# Altium PCB PM12_CFD.PcbDoc (part 4 of 12) (continued)
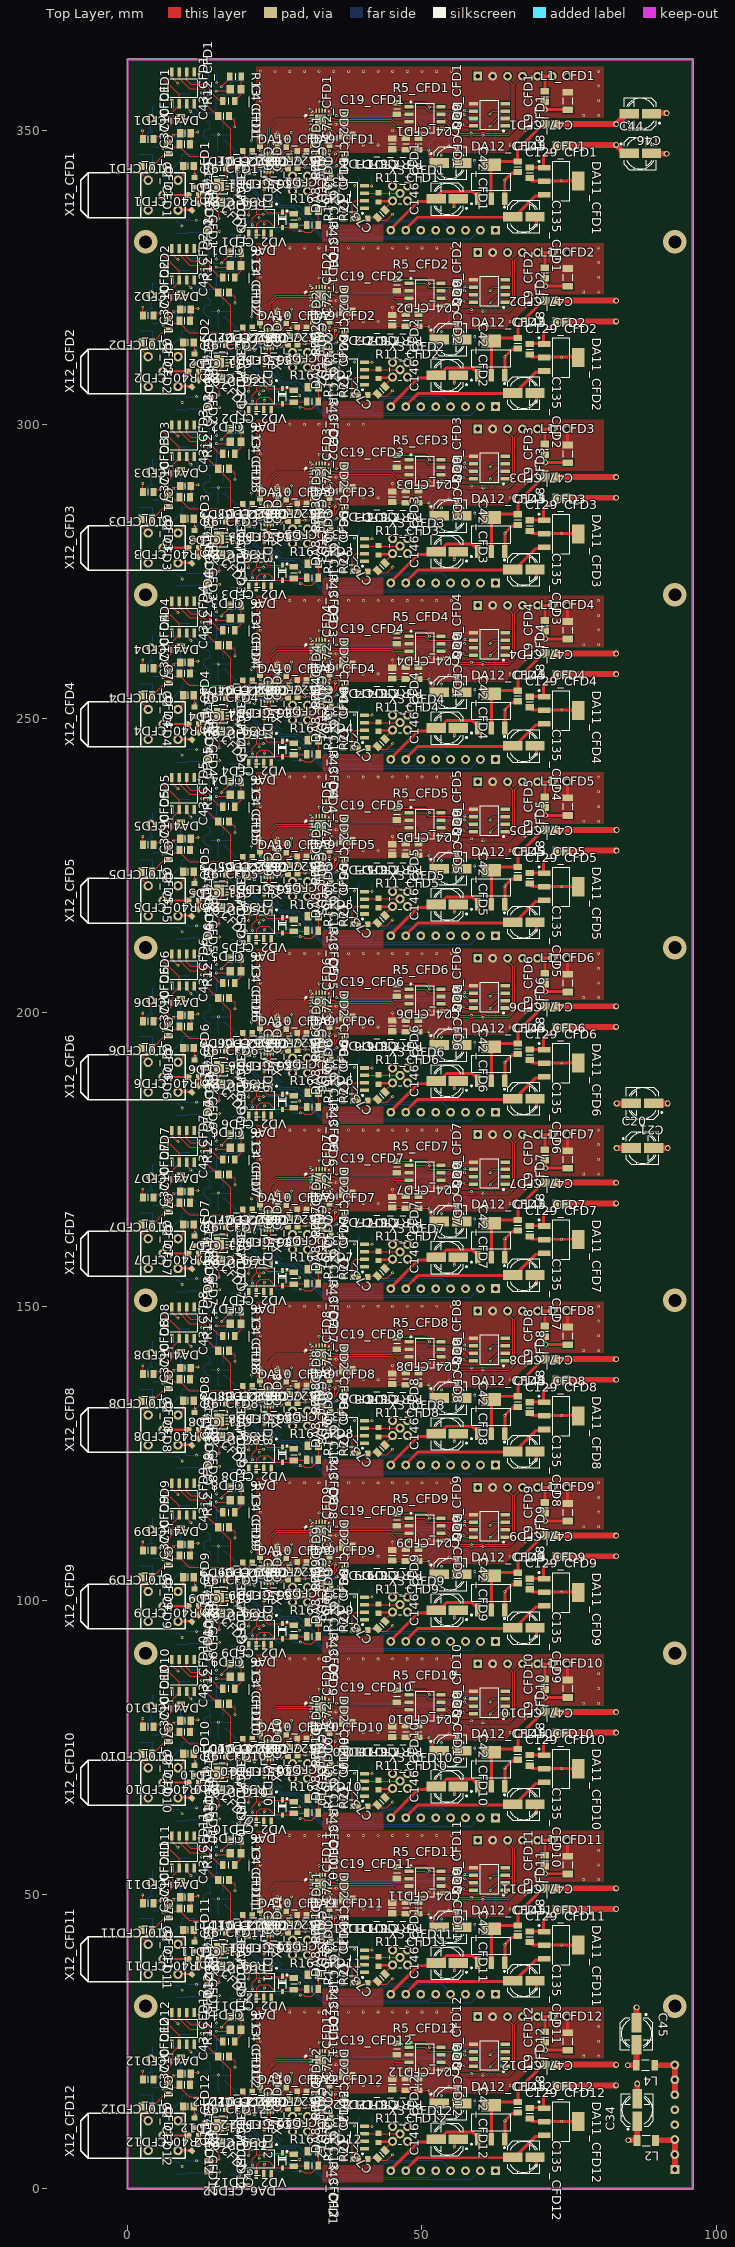
[diagram p0: Top Layer view]
## Nets (pads, with @x,y where several pads share a name; then routed paths per layer and width w, separated by ;. In a path a pad name is that pad's centre, name@x,y a point inside that pad or via, vN(x,y) a via of type N, cw(c..) or ccw(c..) an arc to the next point about the centre after c; other vN are vias at no path point)
$Net0: 
$Net1: 
$Net2: 
$Net3: 
$Net4: 
$Net5: 
$Net6: 
$Net7: 
$Net8: 
$Net9: 
$Net10: 
$Net11: 
$Net12: 
$Net13: 
$Net15: 
$Net16: 
$Net17: 
$Net18: 
$Net20: 
$Net21: 
$Net22: 
$Net23: 
$Net24: 
$Net25: 
$Net26: 
$Net27: 
$Net29: 
$Net30: 
$Net32: 
$Net33: 
$Net34: 
$Net36: 
$Net37: 
$Net39: 
$Net40: 
$Net41: 
$Net42: 
$Net43: 
$Net44: 
$Net45: 
$Net46: 
$Net47: 
$Net48: 
$Net49: 
$Net50: 
$Net51: 
$Net52: 
$Net53: 
$Net54: 
$Net55: 
$Net56: 
$Net58: 
$Net59: 
$Net60: 
$Net61: 
$Net62: 
$Net63: 
$Net64: 
$Net65: 
$Net66: 
$Net67: 
$Net68: 
$Net69: 
$Net70: 
$Net71: 
$Net72: 
$Net73: 
$Net74: 
$Net75: 
$Net76: 
$Net77: 
$Net78: 
$Net79: 
$Net80: 
$Net81: 
$Net82: 
$Net83: 
$Net84: 
$Net85: 
$Net86: 
$Net87: 
$Net88: 
$Net89: 
$Net90: 
$Net91: 
$Net92: 
$Net93: 
$Net94: 
$Net95: 
$Net97: 
$Net98: 
$Net99: 
$Net100: 
$Net101: 
$Net102: 
$Net103: 
$Net104: 
$Net105: 
$Net106: 
$Net107: 
$Net108: 
$Net109: 
$Net110: 
$Net111: 
$Net112: 
$Net113: 
$Net114: 
$Net115: 
$Net116: 
$Net117: 
$Net118: 
$Net119: 
$Net120: 
$Net121: 
$Net122: 
$Net123: 
$Net124: 
$Net125: 
$Net126: 
$Net127: 
$Net128: 
$Net129: 
$Net130: 
$Net131: 
$Net132: 
$Net133: 
$Net134: 
$Net135: 
$Net136: 
$Net137: 
$Net138: 
$Net139: 
$Net140: 
$Net141: 
$Net142: 
$Net143: 
$Net144: 
$Net145: 
$Net146: 
$Net147: 
$Net148: 
$Net149: 
$Net150: 
$Net151: 
$Net152: 
$Net153: 
$Net154: 
$Net155: 
$Net156: 
$Net157: 
$Net158: 
$Net159: 
$Net160: 
$Net161: 
$Net162: 
$Net163: 
$Net164: 
$Net165: 
$Net166: 
$Net167: 
$Net168: 
$Net169: 
$Net170: 
$Net171: 
$Net172: 
$Net173: 
$Net174: 
$Net175: 
$Net176: 
$Net178: 
$Net179: 
$Net180: 
$Net181: 
$Net182: 
$Net183: 
$Net184: 
$Net185: 
$Net186: 
$Net187: 
$Net188: 
$Net189: 
$Net190: 
$Net191: 
$Net192: 
$Net193: 
$Net194: 
$Net195: 
$Net196: 
$Net197: 
$Net198: 
$Net199: 
$Net200: 
$Net201: 
$Net202: 
$Net203: 
$Net204: 
$Net205: 
$Net206: 
$Net207: 
$Net208: 
$Net209: 
$Net210: 
$Net212: 
$Net213: 
$Net215: 
$Net216: 
$Net217: 
$Net219: 
$Net220: 
$Net221: 
$Net223: 
$Net224: 
$Net225: 
$Net226: 
$Net227: 
$Net228: 
$Net229: 
$Net230: 
$Net231: 
$Net233: 
$Net234: 
$Net236: 
$Net237: 
$Net238: 
$Net239: 
$Net240: 
$Net241: 
$Net242: 
$Net243: 
$Net244: 
$Net245: 
$Net246: 
$Net247: 
$Net249: 
$Net250: 
$Net252: 
$Net253: 
$Net254: 
$Net255: 
$Net256: 
$Net257: 
$Net258: 
$Net260: 
$Net261: 
$Net262: 
$Net263: 
$Net265: 
$Net266: 
$Net267: 
$Net269: 
$Net270: 
$Net271: 
$Net272: 
$Net273: 
$Net274: 
$Net275: 
$Net276: 
$Net277: 
$Net278: 
$Net279: 
$Net280: 
$Net281: 
$Net282: 
$Net284: 
$Net285: 
$Net286: 
$Net287: 
$Net288: 
$Net289: 
$Net290: 
$Net291: 
$Net292: 
$Net293: 
$Net294: 
$Net295: 
$Net296: 
$Net297: 
$Net298: 
$Net299: 
$Net300: 
$Net301: 
$Net302: 
$Net303: 
$Net304: 
$Net305: 
$Net306: 
$Net307: 
$Net308: 
$Net309: 
$Net310: 
$Net311: 
$Net312: 
$Net313: 
$Net314: 
$Net315: 
$Net316: 
$Net317: 
$Net318: 
$Net319: 
$Net320: 
$Net321: 
$Net322: 
$Net323: 
$Net324: 
$Net325: 
$Net326: 
$Net327: 
$Net328: 
$Net329: 
$Net330: 
$Net331: 
$Net332: 
$Net333: 
$Net334: 
$Net335: 
$Net336: 
$Net337: 
$Net338: 
$Net339: 
$Net340: 
$Net341: 
$Net342: 
$Net343: 
$Net344: 
$Net345: 
$Net346: 
$Net347: 
$Net348: 
$Net349: 
$Net350: 
$Net351: 
$Net352: 
$Net353: 
$Net354: 
$Net355: 
$Net356: 
$Net357: 
$Net358: 
$Net359: 
$Net360: 
$Net361: 
$Net362: 
$Net363: 
$Net364: 
$Net365: 
$Net366: 
$Net367: 
$Net368: 
$Net369: 
$Net370: 
$Net371: 
$Net372: 
$Net373: 
$Net374: 
$Net375: 
$Net376: 
$Net377: 
$Net378: 
$Net379: 
$Net380: 
$Net381: 
$Net382: 
$Net383: 
$Net384: 
$Net386: 
$Net387: 
$Net388: 
$Net389: 
$Net390: 
$Net391: 
$Net392: 
$Net393: 
$Net394: 
$Net395: 
$Net396: 
$Net397: 
$Net398: 
$Net399: 
$Net400: 
$Net401: 
$Net402: 
$Net403: 
$Net404: 
$Net405: 
$Net406: 
$Net407: 
$Net408: 
$Net410: 
$Net411: 
$Net412: 
$Net413: 
$Net414: 
$Net415: 
$Net416: 
$Net417: 
$Net418: 
$Net419: 
$Net420: 
$Net421: 
$Net422: 
$Net423: 
$Net424: 
$Net425: 
$Net426: 
$Net427: 
$Net428: 
$Net429: 
$Net430: 
$Net431: 
$Net432: 
$Net433: 
$Net434: 
$Net435: 
$Net436: 
$Net438: 
$Net440: 
$Net441: 
$Net442: 
$Net443: 
$Net444: 
$Net446: 
$Net447: 
$Net448: 
$Net449: 
$Net451: 
$Net452: 
$Net453: 
$Net454: 
$Net455: 
$Net456: 
$Net457: 
$Net458: 
$Net459: 
$Net460: 
$Net461: 
$Net463: 
$Net464: 
$Net465: 
$Net466: 
$Net467: 
$Net468: 
$Net469: 
$Net470: 
$Net472: 
$Net473: 
$Net474: 
$Net476: 
$Net477: 
$Net478: 
$Net480: 
$Net481: 
$Net483: 
$Net484: 
$Net485: 
$Net486: 
$Net487: 
$Net488: 
$Net489: 
$Net491: 
$Net492: 
$Net493: 
$Net494: 
$Net496: 
$Net497: 
$Net498: 
$Net499: 
$Net500: 
$Net501: 
$Net502: 
$Net503: 
$Net504: 
$Net505: 
$Net506: 
$Net507: 
$Net508: 
$Net509: 
$Net510: 
$Net511: 
$Net512: 
$Net513: 
$Net514: 
$Net515: 
$Net516: 
$Net517: 
$Net518: 
$Net519: 
$Net520: 
$Net521: 
$Net522: 
$Net523: 
$Net524: 
$Net525: 
$Net526: 
$Net527: 
$Net528: 
$Net529: 
$Net530: 
$Net531: 
$Net532: 
$Net533: 
$Net534: 
$Net535: 
$Net536: 
$Net537: 
$Net538: 
$Net539: 
$Net540: 
$Net542: 
$Net543: 
$Net544: 
$Net545: 
$Net546: 
$Net547: 
$Net548: 
$Net549: 
$Net550: 
$Net551: 
$Net552: 
$Net553: 
$Net554: 
$Net555: 
$Net556: 
$Net557: 
$Net558: 
$Net559: 
$Net560: 
$Net561: 
$Net562: 
$Net563: 
$Net564: 
$Net565: 
$Net566: 
$Net567: 
$Net568: 
$Net569: 
$Net570: 
$Net571: 
$Net572: 
$Net573: 
$Net574: 
$Net575: 
$Net576: 
$Net577: 
$Net578: 
$Net579: 
$Net580: 
$Net581: 
$Net582: 
$Net583: 
$Net584: 
$Net585: 
$Net586: 
$Net587: 
$Net588: 
$Net589: 
$Net590: 
$Net591: 
$Net592: 
$Net593: 
$Net595: 
$Net596: 
$Net597: 
$Net598: 
$Net599: 
$Net600: 
$Net601: 
$Net602: 
$Net603: 
$Net604: 
$Net605: 
$Net606: 
$Net607: 
$Net608: 
$Net609: 
$Net610: 
$Net611: 
$Net612: 
$Net613: 
$Net614: 
$Net615: 
$Net616: 
$Net617: 
$Net618: 
$Net619: 
$Net620: 
$Net621: 
$Net622: 
$Net623: 
$Net624: 
$Net625: 
$Net626: 
$Net627: 
$Net628: 
$Net629: 
$Net630: 
$Net631: 
$Net632: 
$Net633: 
$Net634: 
$Net635: 
$Net636: 
$Net637: 
$Net638: 
$Net639: 
$Net640: 
$Net641: 
$Net642: 
$Net643: 
$Net644: 
$Net646: 
$Net647: 
$Net649: 
$Net650: 
$Net651: 
$Net652: 
$Net654: 
$Net655: 
$Net656: 
$Net657: 
$Net658: 
$Net659: 
$Net660: 
$Net661: 
$Net662: 
$Net663: 
$Net664: 
$Net666: 
$Net668: 
$Net669: 
$Net670: 
$Net671: 
$Net672: 
$Net674: 
$Net675: 
$Net676: 
$Net677: 
$Net678: 
$Net679: 
$Net680: 
$Net682: 
$Net683: 
$Net684: 
$Net685: 
$Net687: 
$Net688: 
$Net689: 
$Net691: 
$Net692: 
$Net694: 
$Net695: 
$Net696: 
$Net697: 
$Net698: 
$Net699: 
$Net700: 
$Net701: 
$Net702: 
$Net703: 
$Net704: 
$Net705: 
$Net706: 
$Net707: 
$Net708: 
$Net709: 
$Net710: 
$Net711: 
$Net712: 
$Net713: 
$Net714: 
$Net715: 
$Net716: 
$Net717: 
$Net718: 
$Net720: 
$Net721: 
$Net722: 
$Net723: 
$Net724: 
$Net725: 
$Net726: 
$Net727: 
$Net728: 
$Net729: 
$Net730: 
$Net731: 
$Net732: 
$Net733: 
$Net734: 
$Net735: 
$Net736: 
$Net737: 
$Net738: 
$Net739: 
$Net740: 
$Net741: 
$Net742: 
$Net743: 
$Net744: 
$Net745: 
$Net746: 
$Net747: 
$Net748: 
$Net749: 
$Net750: 
$Net751: 
$Net752: 
$Net753: 
$Net754: 
$Net755: 
$Net756: 
$Net757: 
$Net758: 
$Net759: 
$Net760: 
$Net761: 
$Net762: 
$Net763: 
$Net764: 
$Net765: 
$Net766: 
$Net767: 
$Net769: 
$Net770: 
$Net771: 
$Net772: 
$Net773: 
$Net774: 
$Net775: 
$Net776: 
$Net777: 
$Net778: 
$Net779: 
$Net780: 
$Net781: 
$Net782: 
$Net783: 
$Net784: 
$Net785: 
$Net786: 
$Net787: 
$Net788: 
$Net789: 
$Net790: 
$Net791: 
$Net792: 
$Net793: 
$Net794: 
$Net795: 
$Net796: 
$Net797: 
$Net798: 
$Net799: 
$Net800: 
$Net801: 
$Net802: 
$Net803: 
$Net804: 
$Net805: 
$Net806: 
$Net807: 
$Net808: 
$Net809: 
$Net810: 
$Net811: 
$Net812: 
$Net813: 
$Net814: 
$Net815: 
$Net816: 
$Net817: 
$Net818: 
$Net819: 
$Net820: 
$Net821: 
$Net822: 
$Net823: 
$Net824: 
$Net825: 
$Net827: 
$Net828: 
$Net829: 
$Net830: 
$Net831: 
$Net832: 
$Net833: 
$Net834: 
$Net835: 
$Net836: 
$Net837: 
$Net838: 
$Net839: 
$Net840: 
$Net841: 
$Net842: 
$Net843: 
$Net844: 
$Net845: 
$Net846: 
$Net847: 
$Net848: 
$Net849: 
$Net850: 
$Net851: 
$Net852: 
$Net853: 
$Net854: 
$Net855: 
$Net856: 
$Net857: 
$Net858: 
$Net859: 
$Net860: 
$Net861: 
$Net862: 
$Net863: 
$Net864: 
$Net865: 
$Net866: 
$Net868: 
$Net870: 
$Net871: 
$Net872: 
$Net873: 
$Net874: 
$Net875: 
$Net876: 
$Net877: 
$Net878: 
$Net879: 
$Net880: 
$Net881: 
$Net882: 
$Net883: 
$Net884: 
$Net885: 
$Net886: 
$Net888: 
$Net890: 
$Net891: 
$Net892: 
$Net893: 
$Net894: 
$Net895: 
$Net896: 
$Net897: 
$Net898: 
$Net900: 
$Net902: 
$Net903: 
$Net905: 
$Net908: 
$Net909: 
$Net910: 
$Net911: 
$Net912: 
$Net915: 
$Net917: 
$Net918: 
$Net920: 
$Net921: 
$Net922: 
$Net923: 
$Net924: 
$Net925: 
$Net926: 
$Net927: 
$Net931: 
$Net933: 
$Net934: 
$Net935: 
$Net936: 
$Net937: 
$Net939: 
$Net941: 
$Net942: 
$Net943: 
$Net944: 
$Net945: 
$Net946: 
$Net947: 
$Net948: 
$Net949: 
$Net950: 
$Net951: 
$Net952: 
$Net953: 
$Net954: 
$Net955: 
$Net956: 
$Net958: 
$Net959: 
$Net960: 
$Net961: 
$Net962: 
$Net963: 
$Net964: 
$Net965: 
$Net966: 
$Net967: 
$Net969: 
$Net970: 
$Net971: 
$Net972: 
$Net973: 
$Net974: 
$Net975: 
$Net976: 
$Net978: 
$Net979: 
$Net980: 
$Net981: 
$Net983: 
$Net984: 
$Net985: 
$Net986: 
$Net987: 
$Net988: 
$Net989: 
$Net990: 
$Net991: 
$Net992: 
$Net993: 
$Net994: 
$Net995: 
$Net996: 
$Net997: 
$Net998: 
$Net999: 
$Net1000: 
$Net1001: 
$Net1002: 
$Net1003: 
$Net1004: 
$Net1005: 
$Net1006: 
$Net1007: 
$Net1008: 
$Net1009: 
$Net1010: 
$Net1011: 
$Net1012: 
$Net1013: 
$Net1014: 
$Net1015: 
$Net1016: 
$Net1017: 
$Net1018: 
$Net1019: 
$Net1020: 
$Net1021: 
$Net1022: 
$Net1023: 
$Net1024: 
$Net1025: 
$Net1028: 
$Net1029: 
$Net1030: 
$Net1031: 
$Net1032: 
$Net1033: 
$Net1034: 
$Net1035: 
$Net1036: 
$Net1037: 
$Net1038: 
$Net1039: 
$Net1040: 
$Net1041: 
$Net1043: 
$Net1045: 
$Net1046: 
$Net1047: 
$Net1048: 
$Net1049: 
$Net1050: 
$Net1051: 
$Net1052: 
$Net1053: 
$Net1054: 
$Net1055: 
$Net1056: 
$Net1057: 
$Net1058: 
$Net1060: 
$Net1061: 
$Net1062: 
$Net1063: 
$Net1064: 
$Net1065: 
$Net1066: 
$Net1067: 
$Net1068: 
$Net1069: 
$Net1070: 
$Net1071: 
$Net1072: 
$Net1073: 
$Net1074: 
$Net1075: 
$Net1076: 
$Net1077: 
$Net1078: 
$Net1079: 
$Net1080: 
$Net1081: 
$Net1082: 
$Net1083: 
$Net1084: 
$Net1085: 
$Net1086: 
$Net1087: 
$Net1088: 
$Net1089: 
$Net1090: 
$Net1091: 
$Net1092: 
$Net1093: 
$Net1094: 
$Net1095: 
$Net1096: 
$Net1097: 
$Net1098: 
$Net1099: 
$Net1100: 
$Net1101: 
$Net1102: 
$Net1103: 
$Net1104: 
$Net1105: 
$Net1106: 
$Net1107: 
$Net1108: 
$Net1109: 
$Net1110: 
$Net1111: 
$Net1112: 
$Net1113: 
$Net1114: 
$Net1115: 
$Net1116: 
$Net1117: 
$Net1118: 
$Net1119: 
$Net1120: 
$Net1121: 
$Net1122: 
$Net1123: 
$Net1124: 
$Net1125: 
$Net1126: 
$Net1127: 
$Net1128: 
$Net1129: 
$Net1130: 
$Net1131: 
$Net1132: 
$Net1133: 
$Net1134: 
$Net1135: 
$Net1136: 
$Net1137: 
$Net1138: 
$Net1139: 
$Net1140: 
$Net1141: 
$Net1142: 
$Net1143: 
$Net1144: 
$Net1145: 
$Net1146: 
$Net1147: 
$Net1148: 
$Net1149: 
$Net1150: 
$Net1151: 
$Net1152: 
$Net1153: 
$Net1154: 
$Net1156: 
$Net1158: 
$Net1159: 
$Net1161: 
$Net1162: 
$Net1163: 
$Net1164: 
$Net1165: 
$Net1166: 
$Net1167: 
  other v4: 3,31
$Net1168: 
$Net1169: 
  other v4: 3,91
$Net1170: 
$Net1171: 
$Net1172: 
  other v4: 3,151
$Net1173: 
$Net1174: 
  other v4: 3,211
$Net1175: 
  other v4: 3,271
$Net1176: 
$Net1177: 
  other v4: 3,331
$Net1178: 
$Net1179: 
$Net1180: 
$Net1181: 
$Net1182: 
$Net1183: 
$Net1184: 
$Net1185: 
$Net1186: 
$Net1187: 
$Net1188: 
$Net1189: 
$Net1190: 
$Net1191: 
$Net1192: 
$Net1193: 
$Net1194: 
$Net1195: 
$Net1196: 
$Net1197: 
$Net1198: 
$Net1199: 
$Net1200: 
$Net1201: 
$Net1202: 
$Net1203: 
$Net1204: 
$Net1205: 
$Net1206: 
$Net1207: 
$Net1208: 
$Net1209: 
$Net1210: 
$Net1211: 
$Net1212: 
$Net1213: 
$Net1214: 
$Net1215: 
$Net1216: 
$Net1217: 
$Net1218: 
$Net1219: 
$Net1220: 
$Net1221: 
$Net1222: 
$Net1223: 
$Net1224: 
$Net1225: 
$Net1226: 
$Net1227: 
$Net1228: 
$Net1229: 
$Net1230: 
$Net1231: 
$Net1232: 
$Net1233: 
$Net1234: 
$Net1235: 
$Net1236: 
$Net1237: 
$Net1238: 
$Net1239: 
$Net1240: 
$Net1241: 
$Net1242: 
$Net1243: 
$Net1244: 
$Net1245: 
$Net1246: 
$Net1247: 
$Net1248: 
$Net1251: 
$Net1252: 
$Net1253: 
$Net1254: 
$Net1255: 
$Net1256: 
$Net1257: 
$Net1258: 
$Net1259: 
$Net1260: 
$Net1261: 
$Net1262: 
$Net1263: 
$Net1264: 
$Net1265: 
$Net1266: 
$Net1267: 
$Net1268: 
$Net1269: 
$Net1270: 
$Net1271: 
$Net1272: 
$Net1273: 
$Net1275: 
$Net1276: 
$Net1277: 
$Net1278: 
$Net1279: 
$Net1281: 
$Net1282: 
$Net1283: 
$Net1284: 
$Net1285: 
$Net1286: 
$Net1287: 
$Net1288: 
$Net1290: 
$Net1291: 
$Net1292: 
$Net1294: 
$Net1295: 
$Net1296: 
$Net1297: 
$Net1298: 
$Net1299: 
$Net1300: 
$Net1301: 
$Net1302: 
$Net1303: 
$Net1304: 
$Net1305: 
$Net1306: 
$Net1307: 
$Net1308: 
$Net1309: 
$Net1310: 
$Net1311: 
$Net1312: 
$Net1313: 
$Net1314: 
$Net1315: 
$Net1316: 
$Net1317: 
$Net1318: 
$Net1319: 
$Net1320: 
$Net1321: 
$Net1322: 
$Net1323: 
$Net1324: 
$Net1325: 
$Net1326: 
$Net1327: 
$Net1328: 
$Net1329: 
$Net1330: 
$Net1331: 
$Net1332: 
$Net1333: 
$Net1334: 
$Net1335: 
$Net1336: 
$Net1337: 
$Net1338: 
$Net1339: 
$Net1340: 
$Net1341: 
$Net1342: 
$Net1343: 
$Net1344: 
$Net1345: 
$Net1346: 
$Net1347: 
$Net1348: 
$Net1349: 
$Net1350: 
$Net1351: 
$Net1352: 
$Net1353: 
$Net1354: 
$Net1355: 
$Net1356: 
$Net1357: 
$Net1358: 
$Net1359: 
$Net1360: 
$Net1361: 
$Net1362: 
$Net1363: 
$Net1364: 
$Net1365: 
$Net1366: 
$Net1367: 
$Net1368: 
$Net1369: 
$Net1371: 
$Net1372: 
$Net1373: 
$Net1374: 
$Net1375: 
$Net1376: 
$Net1377: 
$Net1378: 
$Net1379: 
$Net1380: 
$Net1381: 
$Net1382: 
$Net1383: 
$Net1384: 
$Net1385: 
$Net1386: 
$Net1387: 
$Net1388: 
$Net1389: 
$Net1390: 
$Net1391: 
$Net1392: 
$Net1393: 
$Net1394: 
$Net1395: 
$Net1396: 
$Net1397: 
$Net1398: 
$Net1399: 
$Net1400: 
$Net1401: 
$Net1402: 
$Net1403: 
$Net1404: 
$Net1405: 
$Net1406: 
$Net1407: 
$Net1408: 
$Net1409: 
$Net1410: 
$Net1411: 
$Net1412: 
$Net1413: 
$Net1414: 
$Net1415: 
$Net1416: 
$Net1417: 
$Net1418: 
$Net1421: 
$Net1422: 
$Net1423: 
$Net1424: 
$Net1425: 
$Net1426: 
$Net1427: 
$Net1428: 
$Net1429: 
$Net1431: 
$Net1432: 
$Net1433: 
$Net1434: 
$Net1435: 
$Net1436: 
$Net1437: 
$Net1438: 
$Net1439: 
$Net1440: 
$Net1441: 
$Net1442: 
$Net1443: 
$Net1444: 
$Net1445: 
$Net1446: 
$Net1447: 
$Net1448: 
$Net1449: 
$Net1450: 
$Net1451: 
$Net1452: 
$Net1453: 
$Net1454: 
$Net1455: 
$Net1456: 
$Net1457: 
$Net1458: 
$Net1459: 
$Net1460: 
$Net1461: 
$Net1462: 
$Net1463: 
$Net1464: 
$Net1465: 
$Net1466: 
$Net1467: 
$Net1468: 
$Net1469: 
$Net1470: 
$Net1471: 
$Net1472: 
$Net1473: 
$Net1474: 
$Net1475: 
$Net1476: 
$Net1477: 
$Net1478: 
$Net1479: 
$Net1480: 
$Net1481: 
$Net1482: 
$Net1483: 
$Net1484: 
$Net1485: 
$Net1486: 
$Net1487: 
$Net1488: 
$Net1489: 
$Net1491: 
$Net1492: 
$Net1493: 
$Net1494: 
$Net1495: 
$Net1496: 
$Net1497: 
$Net1498: 
$Net1499: 
$Net1500: 
$Net1501: 
$Net1502: 
$Net1503: 
$Net1504: 
$Net1505: 
$Net1507: 
$Net1508: 
$Net1509: 
$Net1510: 
$Net1511: 
$Net1512: 
$Net1513: 
$Net1515: 
$Net1516: 
$Net1517: 
$Net1518: 
$Net1519: 
$Net1520: 
$Net1521: 
$Net1522: 
$Net1523: 
$Net1524: 
$Net1525: 
$Net1527: 
$Net1528: 
$Net1529: 
$Net1530: 
$Net1531: 
$Net1532: 
$Net1533: 
$Net1534: 
$Net1535: 
$Net1536: 
$Net1537: 
$Net1538: 
$Net1539: 
$Net1540: 
$Net1541: 
$Net1542: 
$Net1543: 
$Net1544: 
$Net1545: 
$Net1546: 
$Net1547: 
$Net1548: 
$Net1549: 
$Net1550: 
$Net1551: 
$Net1552: 
$Net1553: 
$Net1554: 
$Net1555: 
$Net1556: 
$Net1557: 
$Net1558: 
$Net1559: 
$Net1560: 
$Net1561: 
$Net1562: 
$Net1563: 
$Net1564: 
$Net1565: 
$Net1566: 
$Net1567: 
$Net1568: 
$Net1569: 
$Net1570: 
$Net1571: 
$Net1572: 
$Net1573: 
$Net1574: 
$Net1575: 
$Net1576: 
$Net1577: 
$Net1578: 
$Net1579: 
$Net1580: 
$Net1581: 
$Net1582: 
$Net1583: 
$Net1584: 
$Net1585: 
$Net1586: 
$Net1587: 
$Net1588: 
$Net1589: 
$Net1590: 
$Net1591: 
$Net1592: 
$Net1593: 
$Net1594: 
$Net1595: 
$Net1596: 
$Net1597: 
$Net1598: 
$Net1599: 
$Net1600: 
$Net1601: 
$Net1602: 
$Net1603: 
$Net1604: 
$Net1605: 
$Net1606: 
$Net1607: 
$Net1608: 
$Net1609: 
$Net1610: 
$Net1611: 
$Net1612: 
$Net1613: 
$Net1614: 
$Net1615: 
$Net1616: 
$Net1617: 
$Net1618: 
$Net1619: 
$Net1620: 
$Net1621: 
$Net1622: 
$Net1623: 
$Net1624: 
$Net1625: 
$Net1626: 
$Net1627: 
$Net1628: 
$Net1629: 
$Net1630: 
$Net1631: 
$Net1632: 
$Net1633: 
$Net1634: 
$Net1635: 
$Net1636: 
$Net1637: 
$Net1638: 
$Net1639: 
$Net1640: 
$Net1641: 
$Net1642: 
$Net1643: 
$Net1644: 
$Net1645: 
$Net1646: 
$Net1647: 
$Net1648: 
$Net1649: 
$Net1650: 
$Net1651: 
$Net1652: 
$Net1653: 
$Net1654: 
$Net1655: 
$Net1656: 
$Net1657: 
$Net1658: 
$Net1659: 
$Net1660: 
$Net1661: 
$Net1662: 
$Net1663: 
$Net1664: 
$Net1665: 
$Net1666: 
$Net1667: 
$Net1668: 
$Net1669: 
$Net1670: 
$Net1671: 
$Net1672: 
$Net1673: 
$Net1674: 
$Net1675: 
$Net1676: 
$Net1677: 
$Net1678: 
$Net1679: 
$Net1680: 
$Net1681: 
$Net1682: 
$Net1683: 
$Net1684: 
$Net1685: 
$Net1686: 
$Net1687: 
$Net1688: 
$Net1689: 
$Net1690: 
$Net1691: 
$Net1692: 
$Net1693: 
$Net1694: 
$Net1695: 
$Net1696: 
$Net1697: 
$Net1698: 
$Net1699: 
$Net1700: 
$Net1701: 
$Net1702: 
$Net1703: 
$Net1704: 
$Net1705: 
$Net1706: 
$Net1707: 
$Net1708: 
$Net1709: 
$Net1710: 
$Net1711: 
$Net1712: 
$Net1713: 
$Net1714: 
$Net1715: 
$Net1716: 
$Net1717: 
$Net1718: 
$Net1719: 
$Net1720: 
$Net1721: 
$Net1722: 
$Net1723: 
$Net1724: 
$Net1725: 
$Net1726: 
$Net1727: 
$Net1728: 
$Net1729: 
$Net1730: 
$Net1731: 
$Net1732: 
$Net1733: 
$Net1734: 
$Net1735: 
$Net1736: 
$Net1737: 
$Net1738: 
$Net1739: 
$Net1740: 
$Net1741: 
$Net1742: 
$Net1743: 
$Net1744: 
$Net1745: 
$Net1746: 
$Net1747: 
$Net1748: 
$Net1749: 
$Net1750: 
$Net1751: 
$Net1752: 
$Net1753: 
$Net1754: 
$Net1755: 
$Net1756: 
$Net1757: 
$Net1758: 
$Net1759: 
$Net1760: 
$Net1761: 
$Net1762: 
$Net1763: 
$Net1764: 
$Net1765: 
$Net1766: 
$Net1767: 
$Net1768: 
$Net1769: 
$Net1770: 
$Net1771: 
$Net1772: 
$Net1773: 
$Net1774: 
$Net1775: 
$Net1776: 
$Net1777: 
$Net1778: 
$Net1779: 
$Net1780: 
$Net1781: 
$Net1782: 
$Net1783: 
$Net1784: 
$Net1785: 
$Net1786: 
$Net1787: 
$Net1788: 
$Net1789: 
$Net1790: 
$Net1791: 
$Net1792: 
$Net1793: 
$Net1794: 
$Net1795: 
$Net1796: 
$Net1797: 
$Net1798: 
$Net1799: 
$Net1800: 
$Net1801: 
$Net1802: 
$Net1803: 
$Net1804: 
$Net1805: 
$Net1806: 
$Net1807: 
$Net1808: 
$Net1809: 
$Net1810: 
$Net1811: 
$Net1812: 
$Net1813: 
$Net1814: 
$Net1815: 
$Net1816: 
$Net1817: 
$Net1818: 
$Net1819: 
$Net1820: 
$Net1821: 
$Net1822: 
$Net1823: 
$Net1824: 
$Net1825: 
$Net1826: 
$Net1827: 
$Net1828: 
$Net1829: 
$Net1830: 
$Net1831: 
$Net1832: 
$Net1833: 
$Net1834: 
$Net1835: 
$Net1836: 
$Net1837: 
$Net1838: 
$Net1839: 
$Net1840: 
$Net1841: 
$Net1842: 
$Net1843: 
$Net1844: 
$Net1845: 
$Net1846: 
$Net1847: 
$Net1848: 
$Net1849: 
$Net1850: 
$Net1851: 
$Net1852: 
$Net1853: 
$Net1854: 
$Net1855: 
$Net1856: 
$Net1857: 
$Net1858: 
$Net1859: 
$Net1860: 
$Net1861: 
$Net1862: 
$Net1863: 
$Net1864: 
$Net1865: 
$Net1866: 
$Net1867: 
$Net1868: 
$Net1869: 
$Net1870: 
$Net1871: 
$Net1872: 
$Net1873: 
$Net1874: 
$Net1875: 
$Net1876: 
$Net1877: 
$Net1878: 
$Net1879: 
$Net1880: 
$Net1881: 
$Net1882: 
$Net1883: 
$Net1884: 
$Net1885: 
$Net1886: 
$Net1887: 
$Net1888: 
$Net1889: 
$Net1890: 
$Net1891: 
$Net1892: 
$Net1893: 
$Net1894: 
$Net1895: 
$Net1896: 
$Net1897: 
$Net1898: 
$Net1899: 
$Net1900: 
$Net1901: 
$Net1902: 
$Net1903: 
$Net1904: 
$Net1905: 
$Net1906: 
$Net1907: 
$Net1908: 
$Net1909: 
$Net1910: 
$Net1911: 
$Net1912: 
$Net1913: 
$Net1914: 
$Net1915: 
$Net1916: 
$Net1917: 
$Net1918: 
$Net1919: 
$Net1920: 
$Net1921: 
$Net1922: 
$Net1923: 
$Net1924: 
$Net1925: 
$Net1926: 
$Net1927: 
$Net1928: 
$Net1929: 
$Net1930: 
$Net1931: 
$Net1932: 
$Net1933: 
$Net1934: 
$Net1935: 
$Net1936: 
$Net1937: 
$Net1938: 
$Net1939: 
$Net1940: 
$Net1941: 
$Net1942: 
$Net1943: 
$Net1944: 
$Net1945: 
$Net1946: 
$Net1947: 
$Net1948: 
$Net1949: 
$Net1950: 
$Net1951: 
$Net1952: 
$Net1953: 
$Net1954: 
$Net1955: 
$Net1956: 
$Net1957: 
$Net1958: 
$Net1959: 
$Net1960: 
$Net1961: 
$Net1962: 
$Net1963: 
$Net1964: 
$Net1965: 
$Net1966: 
$Net1967: 
$Net1968: 
$Net1969: 
$Net1970: 
$Net1971: 
$Net1972: 
$Net1973: 
$Net1974: 
$Net1975: 
$Net1976: 
$Net1977: 
$Net1978: 
$Net1979: 
$Net1980: 
$Net1981: 
$Net1982: 
$Net1983: 
$Net1984: 
$Net1985: 
$Net1986: 
$Net1987: 
$Net1988: 
$Net1989: 
$Net1990: 
$Net1991: 
$Net1992: 
$Net1993: 
$Net1994: 
$Net1995: 
$Net1996: 
$Net1997: 
$Net1998: 
$Net1999: 
$Net2000: 
$Net2001: 
$Net2002: 
$Net2003: 
$Net2004: 
$Net2005: 
$Net2006: 
$Net2007: 
$Net2008: 
$Net2009: 
$Net2010: 
$Net2011: 
$Net2012: 
$Net2013: 
$Net2014: 
$Net2015: 
$Net2016: 
$Net2017: 
$Net2018: 
$Net2019: 
$Net2020: 
$Net2021: 
$Net2022: 
$Net2023: 
$Net2024: 
$Net2025: 
$Net2026: 
$Net2027: 
$Net2028: 
$Net2029: 
$Net2030: 
$Net2031: 
$Net2032: 
$Net2033: 
$Net2034: 
$Net2035: 
$Net2036: 
$Net2037: 
$Net2038: 
$Net2039: 
$Net2040: 
$Net2041: 
$Net2042: 
$Net2043: 
$Net2044: 
$Net2045: 
$Net2046: 
$Net2047: 
$Net2048: 
$Net2049: 
$Net2050: 
$Net2051: 
$Net2052: 
$Net2053: 
$Net2054: 
$Net2055: 
$Net2056: 
$Net2057: 
$Net2058: 
$Net2059: 
$Net2060: 
$Net2061: 
$Net2062: 
$Net2063: 
$Net2064: 
$Net2065: 
$Net2066: 
$Net2067: 
$Net2068: 
$Net2069: 
$Net2070: 
$Net2071: 
$Net2072: 
$Net2073: 
$Net2074: 
$Net2075: 
$Net2076: 
$Net2077: 
$Net2078: 
$Net2079: 
$Net2080: 
$Net2081: 
$Net2082: 
$Net2083: 
$Net2084: 
$Net2085: 
$Net2086: 
$Net2087: 
$Net2088: 
$Net2089: 
$Net2090: 
$Net2091: 
$Net2092: 
$Net2093: 
$Net2094: 
$Net2095: 
$Net2096: 
$Net2097: 
$Net2098: 
$Net2099: 
$Net2100: 
$Net2101: 
$Net2102: 
$Net2103: 
$Net2104: 
$Net2105: 
$Net2106: 
$Net2107: 
$Net2108: 
$Net2109: 
$Net2110: 
$Net2111: 
$Net2112: 
$Net2113: 
$Net2114: 
$Net2115: 
$Net2116: 
$Net2117: 
$Net2118: 
$Net2119: 
$Net2120: 
$Net2121: 
$Net2122: 
$Net2123: 
$Net2124: 
$Net2125: 
$Net2126: 
$Net2127: 
$Net2128: 
$Net2129: 
$Net2130: 
$Net2131: 
$Net2132: 
DA2_CFD1_N: DA2_CFD1.1 R9_CFD1.2 R48_CFD1.1 | length 4.2
  Bottom Layer w0.2: R48_CFD1.1@1.87,345.9 4.17,345.9 R9_CFD1.2@4.17,344
DA2_CFD1_O_N: 
DA2_CFD1_O_P: 
DA2_CFD1_P: R2_CFD1.1 R50_CFD1.1 X12_CFD1.1 | length 6.4
  Top Layer w0.37: X12_CFD1.1@5.97,339 R2_CFD1.1@10.62,339
  Bottom Layer w0.12: X12_CFD1.1@5.97,339 R50_CFD1.1@5.97,340.7
DA2_CFD1_VOCM: 
DA2_CFD2_N: DA2_CFD2.1 R9_CFD2.2 R48_CFD2.1 | length 4.2
  Bottom Layer w0.2: R48_CFD2.1@1.9,315.9 4.2,315.9 R9_CFD2.2@4.2,314
DA2_CFD2_P: R2_CFD2.1 R50_CFD2.1 X12_CFD2.1 | length 6.4
  Top Layer w0.37: X12_CFD2.1@6,309 R2_CFD2.1@10.65,309
  Bottom Layer w0.12: X12_CFD2.1@6,309 R50_CFD2.1@6,310.7
DA2_CFD3_N: DA2_CFD3.1 R9_CFD3.2 R48_CFD3.1 | length 4.2
  Bottom Layer w0.2: R48_CFD3.1@1.9,285.9 4.2,285.9 R9_CFD3.2@4.2,284
DA2_CFD3_P: R2_CFD3.1 R50_CFD3.1 X12_CFD3.1 | length 6.4
  Top Layer w0.37: X12_CFD3.1@6,279 R2_CFD3.1@10.65,279
  Bottom Layer w0.12: X12_CFD3.1@6,279 R50_CFD3.1@6,280.7
DA2_CFD4_N: DA2_CFD4.1 R9_CFD4.2 R48_CFD4.1 | length 4.2
  Bottom Layer w0.2: R48_CFD4.1@1.9,255.9 4.2,255.9 R9_CFD4.2@4.2,254
DA2_CFD4_P: R2_CFD4.1 R50_CFD4.1 X12_CFD4.1 | length 6.3
  Top Layer w0.37: X12_CFD4.1@6,249 R2_CFD4.1@10.65,249
  Bottom Layer w0.12: X12_CFD4.1@6,249 R50_CFD4.1@6,250.7
DA2_CFD5_N: DA2_CFD5.1 R9_CFD5.2 R48_CFD5.1 | length 4.2
  Bottom Layer w0.2: R48_CFD5.1@1.9,225.9 4.2,225.9 R9_CFD5.2@4.2,224
DA2_CFD5_P: R2_CFD5.1 R50_CFD5.1 X12_CFD5.1 | length 6.3
  Top Layer w0.37: X12_CFD5.1@6,219 R2_CFD5.1@10.65,219
  Bottom Layer w0.12: X12_CFD5.1@6,219 R50_CFD5.1@6,220.7
DA2_CFD6_N: DA2_CFD6.1 R9_CFD6.2 R48_CFD6.1 | length 4.2
  Bottom Layer w0.2: R48_CFD6.1@1.9,195.9 4.2,195.9 R9_CFD6.2@4.2,194
DA2_CFD6_P: R2_CFD6.1 R50_CFD6.1 X12_CFD6.1 | length 6.4
  Top Layer w0.37: X12_CFD6.1@6,189 R2_CFD6.1@10.65,189
  Bottom Layer w0.12: X12_CFD6.1@6,189 R50_CFD6.1@6,190.7
DA2_CFD7_N: DA2_CFD7.1 R9_CFD7.2 R48_CFD7.1 | length 4.2
  Bottom Layer w0.2: R48_CFD7.1@1.9,165.9 4.2,165.9 R9_CFD7.2@4.2,164
DA2_CFD7_P: R2_CFD7.1 R50_CFD7.1 X12_CFD7.1 | length 6.4
  Top Layer w0.37: X12_CFD7.1@6,159 R2_CFD7.1@10.65,159
  Bottom Layer w0.12: X12_CFD7.1@6,159 R50_CFD7.1@6,160.7
DA2_CFD8_N: DA2_CFD8.1 R9_CFD8.2 R48_CFD8.1 | length 4.2
  Bottom Layer w0.2: R48_CFD8.1@1.9,135.9 4.2,135.9 R9_CFD8.2@4.2,134
DA2_CFD8_P: R2_CFD8.1 R50_CFD8.1 X12_CFD8.1 | length 6.4
  Top Layer w0.37: X12_CFD8.1@6,129 R2_CFD8.1@10.65,129
  Bottom Layer w0.12: X12_CFD8.1@6,129 R50_CFD8.1@6,130.7
DA2_CFD9_N: DA2_CFD9.1 R9_CFD9.2 R48_CFD9.1 | length 4.2
  Bottom Layer w0.2: R48_CFD9.1@1.9,105.9 4.2,105.9 R9_CFD9.2@4.2,104
DA2_CFD9_P: R2_CFD9.1 R50_CFD9.1 X12_CFD9.1 | length 6.4
  Top Layer w0.37: X12_CFD9.1@6,99 R2_CFD9.1@10.65,99
  Bottom Layer w0.12: X12_CFD9.1@6,99 R50_CFD9.1@6,100.7
DA2_CFD10_N: DA2_CFD10.1 R9_CFD10.2 R48_CFD10.1 | length 4.2
  Bottom Layer w0.2: R48_CFD10.1@1.9,75.9 4.2,75.9 R9_CFD10.2@4.2,74
DA2_CFD10_P: R2_CFD10.1 R50_CFD10.1 X12_CFD10.1 | length 6.3
  Top Layer w0.37: X12_CFD10.1@6,69 R2_CFD10.1@10.65,69
  Bottom Layer w0.12: X12_CFD10.1@6,69 R50_CFD10.1@6,70.7
DA2_CFD11_N: DA2_CFD11.1 R9_CFD11.2 R48_CFD11.1 | length 4.2
  Bottom Layer w0.2: R48_CFD11.1@1.9,45.9 4.2,45.9 R9_CFD11.2@4.2,44
DA2_CFD11_P: R2_CFD11.1 R50_CFD11.1 X12_CFD11.1 | length 6.4
  Top Layer w0.37: X12_CFD11.1@6,39 R2_CFD11.1@10.65,39
  Bottom Layer w0.12: X12_CFD11.1@6,39 R50_CFD11.1@6,40.7
DA2_CFD12_N: DA2_CFD12.1 R9_CFD12.2 R48_CFD12.1 | length 4.2
  Bottom Layer w0.2: R48_CFD12.1@1.9,15.9 4.2,15.9 R9_CFD12.2@4.2,14
DA2_CFD12_P: R2_CFD12.1 R50_CFD12.1 X12_CFD12.1 | length 6.3
  Top Layer w0.37: X12_CFD12.1@6,9 R2_CFD12.1@10.65,9
  Bottom Layer w0.12: X12_CFD12.1@6,9 R50_CFD12.1@6,10.7
DA2_O_CFD1_N: DA2_CFD1.5 R8_CFD1.2 X1_CFD1.1 | length 5.1
  Bottom Layer w0.2: X1_CFD1.1@8.97,352 8.97,349.905 9.17,349.705 DA2_CFD1.5@9.37,349.705 ; DA2_CFD1.5@9.56,349.71 R8_CFD1.2@11.37,347.9
DA2_O_CFD1_P: DA2_CFD1.4 R45_CFD1.2 R48_CFD1.2 X1_CFD1.3 | length 7.6
  Bottom Layer w0.2: R48_CFD1.2@1.87,347.9 3.68,349.71 4.17,349.71 3.89,349.99 X1_CFD1.3@3.89,352 4.19,352.3 R45_CFD1.2@4.19,354.049
DA2_O_CFD2_N: DA2_CFD2.5 R8_CFD2.2 X1_CFD2.1 | length 5.3
  Bottom Layer w0.2: X1_CFD2.1@9,322 9,319.91 9.2,319.71 9.59,319.71 R8_CFD2.2@11.4,317.9
DA2_O_CFD2_P: DA2_CFD2.4 R45_CFD2.2 R48_CFD2.2 X1_CFD2.3 | length 7.6
  Bottom Layer w0.2: R48_CFD2.2@1.9,317.9 3.71,319.71 4.2,319.71 3.92,319.99 3.92,322 4.22,322.3 R45_CFD2.2@4.22,324.049
DA2_O_CFD3_N: DA2_CFD3.5 R8_CFD3.2 X1_CFD3.1 | length 5.3
  Bottom Layer w0.2: X1_CFD3.1@9,292 9,289.91 9.2,289.71 9.59,289.71 R8_CFD3.2@11.4,287.9
DA2_O_CFD3_P: DA2_CFD3.4 R45_CFD3.2 R48_CFD3.2 X1_CFD3.3 | length 7.6
  Bottom Layer w0.2: R48_CFD3.2@1.9,287.9 3.71,289.71 4.2,289.71 3.92,289.99 3.92,292 4.22,292.3 R45_CFD3.2@4.22,294.049
DA2_O_CFD4_N: DA2_CFD4.5 R8_CFD4.2 X1_CFD4.1 | length 5.3
  Bottom Layer w0.2: X1_CFD4.1@9,262 9,259.91 9.2,259.71 9.59,259.71 R8_CFD4.2@11.4,257.9